# KiCad board PiComputeModuleBreakout.kicad_pcb (continued)
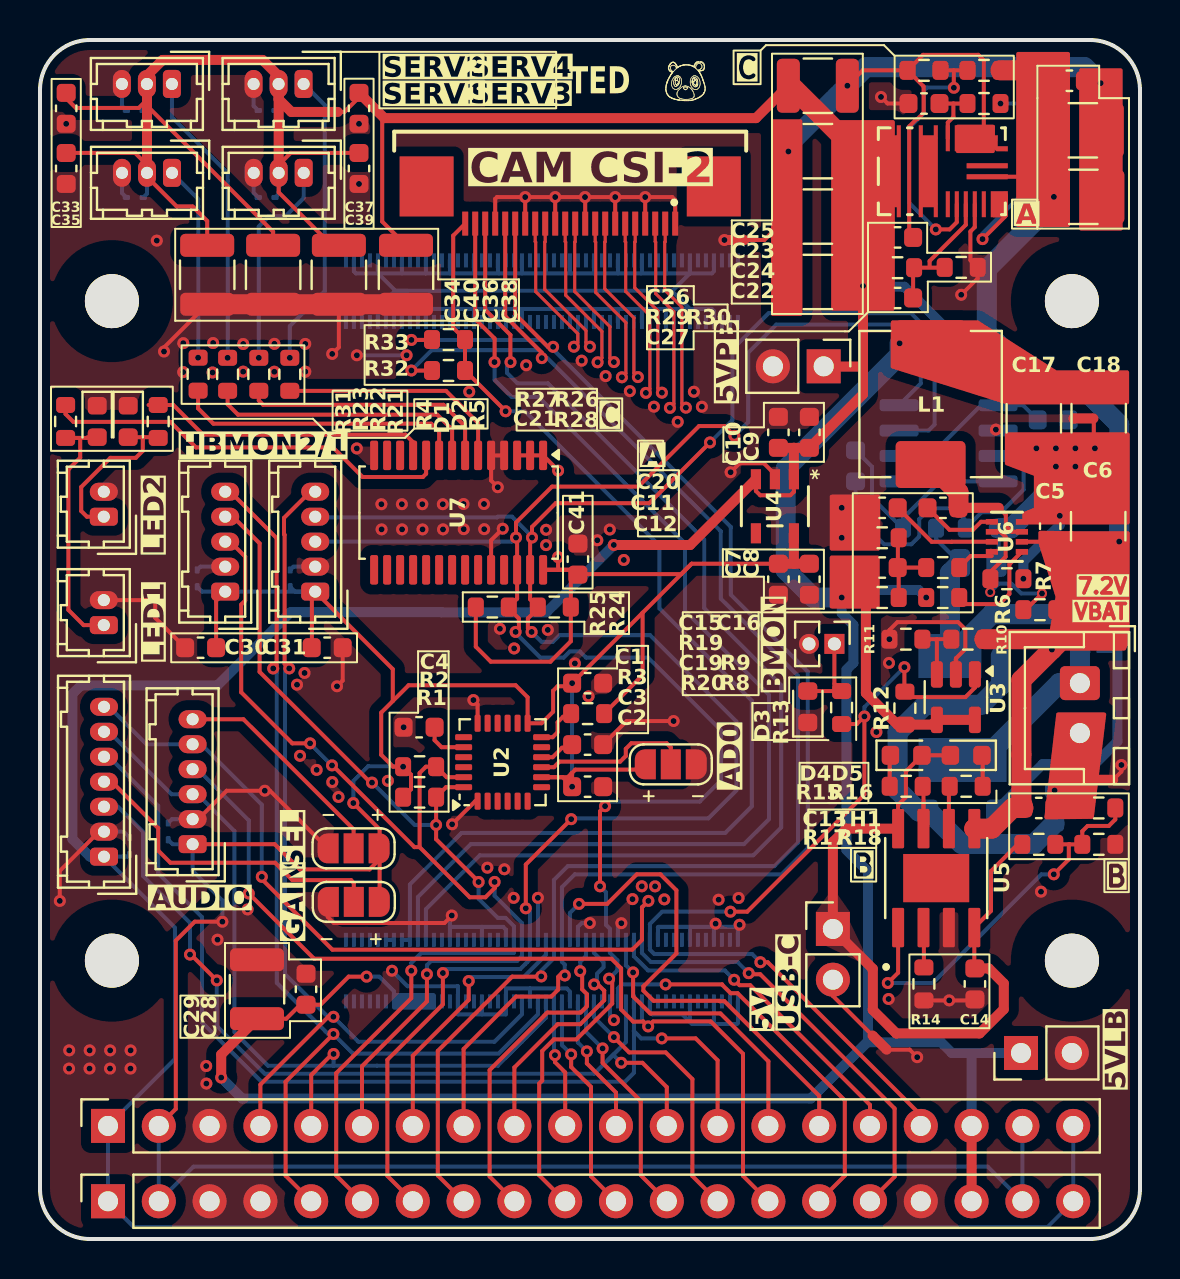
[diagram p0: board, top side]
## Nets
3V3BUS: C1.1 C2.2 C7.2 C8.2 C30.2 C31.2 C41.2 D7.2 D8.2 D13.2 J5.1 J6.1 J9.2 J9.19 J14.2 J14.19 J19.1 JP1.1 JP6.3 JP9.3 R1.1 R2.1 R3.1 R24.2 R25.2 U2.8 U2.13 U4.5 U7.1 U7.2 U7.3 U7.28
3V3CM4: J8.22 R32.1 R33.2 U1.84 U1.86
5VLBUS: C17.1 C18.1 C19.2 C28.2 C29.1 J9.18 J13.1 J14.18 L1.2 R8.1 R12.2 R20.1 U1.77 U1.79 U1.81 U1.83 U1.85 U1.87 U3.4 U3.5
5VPBUS: C9.2 C10.2 C22.1 C23.1 C24.1 C25.1 C26.1 C27.1 C33.2 C34.1 C35.2 C36.1 C37.2 C38.1 C39.2 C40.1 C42.1 D9.2 D10.2 D11.2 D12.2 D14.2 J1.2 J2.2 J3.2 J4.2 J9.1 J9.20 J14.1 J14.20 J15.1 J18.1 R29.2 U4.1 U4.3 U8.9 U8.10 U8.11 U8.12 U9.1 U9.2 U9.5
GND: C1.2 C2.1 C3.2 C4.2 C7.1 C8.1 C9.1 C10.1 C14.2 C15.2 C21.2 C28.1 C29.2 C30.1 C31.1 C33.1 C34.2 C35.1 C36.2 C37.1 C38.2 C39.1 C40.2 C41.1 C42.2 D1.1 D2.1 D3.1 D7.1 D8.1 D9.1 D10.1 D11.1 D12.1 D13.1 D14.1 J1.3 J2.3 J3.3 J4.3 J5.2 J6.2 J8.1 J8.4 J8.7 J8.10 J8.13 J8.16 J8.19 J9.3 J10.2 J11.2 J13.2 J14.3 J14.4 J14.17 J15.2 J16.2 J18.2 J19.2 JP1.3 JP6.1 JP9.1 NT1.2 NT2.2 NT3.2 NT4.2 R11.1 R14.1 R18.2 R19.2 R30.1 U1.1 U1.2 U1.7 U1.8 U1.13 U1.14 U1.22 U1.23 U1.32 U1.33 U1.42 U1.43 U1.52 U1.53 U1.59 U1.60 U1.65 U1.66 U1.71 U1.74 U1.98 U1.107 U1.108 U1.113 U1.114 U1.119 U1.120 U1.125 U1.126 U1.131 U1.132 U1.137 U1.138 U1.144 U1.150 U1.155 U1.156 U1.161 U1.162 U1.167 U1.168 U1.173 U1.174 U1.179 U1.180 U1.185 U1.186 U1.191 U1.192 U1.197 U1.198 U2.1 U2.11 U2.18 U3.2 U4.2 U5.3 U7.4 U7.5 U7.14 U7.24 U8.18 U9.6
GNDA: C11.2 C12.2 C20.2 C22.2 C23.2 C24.2 C25.2 C26.2 NT4.1 R27.1 U8.1 U8.2 U8.3 U8.4 U8.5 U8.24
GNDD: J7.2 NT2.1
GNDPWR: C5.2 C6.2 C17.2 C18.2 NT1.1 R7.1 U6.4
VCC: C14.1 D4.2 D5.2 J7.1 R17.1 U5.4 U5.8
/AD0: JP1.2 U2.9
/FB: R9.2 U6.8
/FB-MPM: C27.2 R29.1 R30.2 U8.17
/GAIN: J18.4 JP6.2
/INT: R3.2 U2.12
/LED1: R4.1 U7.10
/LED2: R5.1 U7.11
/PG3: R8.2 U6.1
/PG5: R28.2 U8.20 U8.21
/SEL: J19.6 JP9.2
/SW: C16.2 L1.1 U6.3
/TEMP: R17.2 R18.1 TH1.2 U5.1
BAT+: C5.1 C6.1 C11.1 C12.1 C13.1 C20.1 R6.2 R10.2 R26.2 R35.2 R37.1 U5.5 U6.2 U8.22
BAT-: C13.2 J12.2 NT3.1 R34.2 TH1.1
BATMON: J9.17 R12.1 R13.1 U1.24 U3.1
CAM_CK_N: J8.8 U1.127
CAM_CK_P: J8.9 U1.129
CAM_D0_N: J8.2 U1.115
CAM_D0_P: J8.3 U1.117
CAM_D1_N: J8.5 U1.121
CAM_D1_P: J8.6 U1.123
CAM_D2_N: J8.11 U1.133
CAM_D2_P: J8.12 U1.135
CAM_D3_N: J8.14 U1.139
CAM_D3_P: J8.15 U1.141
CAM_I2C_N: J8.20 U1.80
CAM_I2C_P: J8.21 U1.82
CHRG: R15.2 U5.7
ENMP2338: R6.1 R7.2 U6.6
GPIO6: J9.14 U1.30
GPIO7: J14.13 U1.37
GPIO8: J14.12 U1.39
GPIO9: J14.9 U1.40
GPIO10: J9.15 U1.44
GPIO11: J9.9 U1.38
GPIO12: J14.15 U1.31
GPIO13: J9.16 U1.28
GPIO14: J6.5 J9.4 U1.55
GPIO15: J5.5 J14.5 U1.51
GPIO17: J9.7 U1.50
GPIO23: J9.10 U1.47
GPIO24: J14.11 U1.45
GPIO25: J9.11 U1.41
I2C1_N: J5.3 J9.6 R2.2 U1.56 U2.23
I2C1_P: J5.4 J14.6 R1.2 U1.58 U2.24
I2C2_N: J6.3 J14.10 R25.1 U1.34 U7.26 U9.4
I2C2_P: J6.4 J14.7 R24.1 U1.54 U7.27 U9.3
LED_EN: J8.18 J14.8 R32.2 U1.48
LRCLK: J14.16 J18.7 J19.5 U1.26
PCM_CLK: J9.5 J18.6 J19.3 U1.49
PCM_DIN: J9.13 J18.5 U1.27
PCM_DOUT: J14.14 J19.4 U1.25
POWER_EN: J8.17 J9.8 R33.1 U1.46
SD: J9.12 J18.3 U1.29
SERV1: J1.1 R31.2
SERV2: J2.1 R23.2
SERV3: J3.1 R22.2
SERV4: J4.1 R21.2
SSMP2338: C15.1 U6.7
STDBY: R16.2 U5.6
Net-(C19-Pad1): C19.1 R9.1 R19.1 R20.2
Net-(D1-A): D1.2 J10.1 R4.2
Net-(D2-A): D2.2 J11.1 R5.2
Net-(D3-A): D3.2 J16.1 R13.2
Net-(D4-K): D4.1 R15.1
Net-(D5-K): D5.1 R16.1
Net-(D6-A): D6.2 Q2.4 R34.1
Net-(D6-K): D6.1 JP2.2 Q2.1-3 R35.1 R36.1
Net-(J12-Pin_1): J12.1 JP2.1 Q2.5-8
Net-(U1A-CM4_1.8V(OUTPUT)-Pad88): U1.88 U1.90
Net-(U2-CPOUT): C4.1 U2.20
Net-(U2-REGOUT): C3.1 U2.10
Net-(U3-+): R10.1 R11.2 U3.3
Net-(U5-PROG): R14.2 U5.2
Net-(U6-BST): C16.1 U6.5
Net-(U7-LED0): R21.1 U7.6
Net-(U7-LED1): R22.1 U7.7
Net-(U7-LED2): R23.1 U7.8
Net-(U7-LED3): R31.1 U7.9
Net-(U8-EN): R26.1 R27.2 U8.16
Net-(U8-VCC): C21.1 R28.1 U8.6
Net-(U9-IN+): C32.1 R36.2 U9.8
Net-(U9-IN-): C32.2 R37.2 U9.7

Pads without a net: J8 Z1 Z2; U1 3 4 5 6 9 10 11 12 15 16 17 18 19 20 21 35 36 57 61 62 63 64 67 68 69 70 72 73 75 76 78 89 91 92 93 94 95 96 97 99 100 101 102 103 104 105 106 109 110 111 112 116 118 122 124 128 130 134 136 140 142 143 145 146 147 148 149 151 152 153 154 157 158 159 160 163 164 165 166 169 170 171 172 175 176 177 178 181 182 183 184 187 188 189 190 193 194 195 196 199 200; U2 2 3 4 5 6 7 14 15 16 17 19 21 22; U4 4; U5 9; U7 12 13 15 16 17 18 19 20 21 22 23 25; U8 7 8 13 14 15 19 23

## Via types
v1: diameter 0.6, hole 0.3, Top to Bottom, 223 vias
v2: diameter 0.5, hole 0.3, Top to Bottom, 2 vias

## Routing (per net, layer and track width the routed paths; a pad name or vN(x,y) marks a point on that pad's centre or on a via; arc(x,y) is an arc through that point)
3V3BUS: length 191.4
  Top w0.2: JP9.3 16.98,20.5 v1(15.67,21.82) ; JP9.3 16.98,19 16.48,18.49 13,18.49 11.73,19.76 J19.1 ; JP9.3 16.98,16.88 JP6.3 ; U7.3 U7.1 25.9,38.46 v1(25.9,38.45) ; 30.13,31.34 v1(26.61,27.81) ; 30.13,31.34 30.13,28.21 R3.1 ; 30.13,31.34 32.58,33.79 ; R25.2 21.79,29.64 22.54,28.89 25.52,28.89 26.54,29.91 R24.2 26.54,33.49 25.9,33.49 ; 32.58,33.79 C7.2 ; 32.58,33.79 32.06,33.27 26.92,33.27 C41.2 26.66,33.49 U7.28 25.9,33.49 ; 26.58,23.3 26.61,23.27 v1(26.61,22.63) 26.13,23.11 U2.8 26.39,23.11 26.58,23.3 ; 26.58,23.3 26.77,23.49 29.98,23.49 JP1.1 ; 17.64,26.92 17.06,26.34 17.06,24.23 17.66,23.63 v1(18.16,23.63) 18.55,23.24 18.55,22.5 R1.1 ; 17.64,26.92 18.43,27.71 23.78,27.71 24.38,27.11 U2.13 25.08,25.81 25.66,26.38 25.66,27.43 25.88,27.66 26.61,27.66 ; 17.64,26.92 17.64,28.52 J6.1 13.59,32.23 13.59,29.59 ; v1(25.9,34.12) 25.9,33.49 ; J9.2 6.79,6.51 6.79,14.93 7.74,15.88 v1(9.12,15.88) ; J5.1 8.81,31.94 C30.2 ; 18.03,22.11 17.93,22.21
  Top w0.5: C8.2 37.69,33.79 ; 37.69,33.79 U4.5 ; 37.69,33.79 C7.2
  Bottom w0.2: D7.2 8.1,32.4 J5.1 J6.1 12.75,32.4 D8.2 ; J9.19 J14.19 47.39,3.62 7.67,3.62 J14.2 J9.2 ; D13.2 6.63,19.76 J19.1 7.63,18.43 9.12,16.94 v1(9.12,15.88) ; v1(15.67,21.82) 15.67,22.92 16.41,23.66 18.13,23.66 v1(18.16,23.63) ; v1(26.61,22.63) v1(26.61,27.81) ; v1(25.9,38.45) v1(25.9,34.12)
3V3CM4: length 58
  Top w0.2: J8.22 20.66,50.21 20.66,45.6 R33.2 R32.1 23.28,41.43 v1(23.28,41.42)
  Bottom w0.2: U1.86 U1.84 18.49,17.74 21.08,20.32 34.26,20.32 35.59,21.65 35.59,26.94 30.97,31.56 30.97,34.7 24.25,41.42 v1(23.28,41.42)
5VLBUS: length 119
  Top w0.2: C29.1 12.31,11.02 13.02,11.72 C28.2 14.03,11.72 15.43,13.13 v1(16.33,13.13)
  Top w0.5: v1(9.06,8.08) 9.06,9.23 C29.1 ; U3.5 U3.4 44.61,25.74 R12.2 42.87,25.74 41.29,27.32 41.29,32.09 R20.1 41.29,32.51 41.29,32.52 ; J9.18 J14.18
  Bottom w0.2: v1(16.33,13.13) 16.96,13.13 17.69,12.4 U1.87
  Bottom w0.5: 46.08,9.31 45.59,9.31 45.05,9.85 41.36,9.85 41.01,9.49 ; 46.08,9.31 46.59,9.31 46.58,9.3 J9.18 ; 46.08,9.31 J13.1 ; 41.01,9.49 38.54,7.03 10.11,7.03 v1(9.06,8.08) ; 41.01,9.49 41.4,9.89 41.4,18.39 40.32,19.47 40.32,28.48 40.67,28.83 40.67,30.73 40.08,31.31 40.08,32.33 40.23,32.48 43.93,32.48 v1(44.31,32.1)
  Bottom w1: v1(42.98,44.82) 42.98,44.24 37.29,38.55 37.29,33.47 38.66,32.1 v1(40.08,32.1) 40.08,32.33
5VPBUS: length 269.6
  Top w0.2: C39.2 15.95,54.35 12.53,54.35 11.93,53.75 J3.2 11.93,52.38 14.59,49.72 C36.1 ; C40.1 11.66,50.4 5.34,56.72 J2.2 ; 11.93,57.47 11.93,57.47 J4.2 11.93,57.08 12.61,56.4 15.22,56.4 15.95,57.13 C37.2 17.11,56.19 17.11,50.91 C38.1 ; J2.2 5.34,57 4.94,56.6 1.79,56.6 1.31,57.08 C33.2 ; J2.2 5.34,57.51 5.35,57.51 ; C35.2 1.31,54.35 4.75,54.35 5.35,53.75 J1.2 5.35,53.15 6.83,51.67 7.63,51.67 8.36,50.94 C34.1 ; 14.12,49.6 15.86,49.6 ; U4.1 37.69,37.39 37.52,37.22 36.01,37.22 35.79,37.44 U4.3
  Top w0.5: C10.2 C9.2 41.15,42.27 41.15,45.03 ; 11.93,57.47 J3.2 ; 41.15,45.03 v1(41.15,47.69) 41.15,51.22 ; 41.15,45.03 41.15,43.66 39.3,43.66 ; 14.89,56.4 12.57,56.4 11.93,57.03 J4.2 11.93,58.2 11.13,59 6.13,59 5.34,58.21 J2.2 ; v1(28.69,34.73) 32.51,34.73 U4.3 ; C25.1 35.8,56.09 17.21,56.09 C37.2 ; U4.1 37.69,39.59 ; 5.35,57.51 J1.2
  Top w1: C23.1 40.37,54.9 37.56,57.71 C25.1
  Bottom w0.2: J2.2 5.34,56.65 D9.2 ; D12.2 11.93,52.3 J3.2 ; J4.2 11.93,56.65 D11.2 ; U9.1 U9.2 44.52,39.18 47.05,41.72 49.15,41.72 C42.1 ; D10.2 5.35,52.31 J1.2 ; J9.20 J14.20 50.37,0.6 4.69,0.6 J14.1 J9.1 6.74,9 6.74,15.59 J18.1 4.37,19.13 D14.2
  Bottom w0.5: v1(28.69,34.73) 25.32,31.36 20.07,31.36 20.06,31.37 12.54,31.37 8.87,27.7 2.04,27.7 1.62,27.28 1.62,20.01 2.5,19.13 J18.1 ; 47.91,41.72 47.91,42.96 43.22,47.65 41.23,47.65
GND: length 226.4
  Top w0.2: J19.2 7.91,21.01 9.33,22.43 v1(11.24,22.43) 11.5,22.43 JP9.1 ; NT3.2 54.07,23.39 v1(54.07,23.72) ; 25.78,52.14 v1(25.76,52.14) v1(24.26,52.14) 24.22,52.14 ; 25.78,52.14 25.76,52.12 J8.13 ; 25.78,52.14 v1(27.25,52.14) 27.27,52.14 ; v1(22.89,37.62) 22.55,37.95 U7.5 U7.4 ; v1(21.67,26.97) 21.88,26.76 U2.18 ; U3.2 45.79,29.05 46.27,29.53 46.27,30.5 45.9,30.87 42.87,30.87 42.47,30.47 v1(42.47,30.02) ; C14.2 46.69,11.94 v1(45.46,11.94) R14.1 ; v1(43.86,9.1) 43.48,9.48 NT2.2 ; 27.27,52.14 27.26,52.13 J8.10 ; 27.27,52.14 v1(28.76,52.14) 28.79,52.14 ; J8.1 31.76,51.99 31.61,52.14 v1(30.26,52.14) 30.24,52.14 ; v1(23.14,35.55) 22.55,34.96 U7.24 ; 20.59,16.18 20.23,15.81 14.69,15.81 14.39,16.11 JP6.1 ; 24.22,52.14 24.26,52.1 J8.16 ; 24.22,52.14 22.85,52.14 22.76,52.05 J8.19 ; v1(20.6,20.75) 21.76,21.91 U2.1 ; C30.1 5.76,31.08 5.76,31.86 5.65,31.97 J10.2 ; v1(31.68,25.92) 29.33,25.92 C3.2 ; 30.24,52.14 28.79,52.14 ; 30.24,52.14 30.26,52.12 J8.4 ; v1(0.99,16.92) 0.99,18.42 2.95,20.38 J18.2 ; C31.1 15.14,27.94 v1(14.85,27.66) ; C34.2 6.2,44.61 v1(6.2,44.41) ; C21.2 42.38,56.82 v1(42.05,57.15) ; C36.2 14.94,44.62 v1(14.61,44.29) ; 28.79,52.14 28.76,52.11 J8.7 ; U8.18 46.74,50.63 46.52,50.41 46.52,48.98 R30.1 46.89,48.07 v1(46.06,47.25) ; U4.2 36.74,38.27 36.19,38.82 34.98,38.82 v1(34.53,38.37)
  Top w1: C34.2 C38.2
  Bottom w0.2: U1.22 30.89,15.6 30.92,15.62 32.49,15.62 ; U1.180 19.29,48.33 19.29,48.32 ; 22.09,11.24 20.89,11.24 U1.71 20.89,12.65 18.38,12.65 v1(17.6,13.42) ; 22.09,11.24 23.29,11.24 U1.59 23.29,12.54 24.49,12.54 ; 22.09,11.24 U1.65 ; U1.185 18.09,46.54 18.09,46.54 ; 21.72,48.32 21.69,48.35 U1.168 ; 21.72,48.32 20.5,48.32 ; 21.72,48.32 22.96,48.32 ; U1.155 24.09,46.49 24.15,46.54 ; U1.126 30.09,48.38 30.04,48.32 ; 47.91,40.45 47.84,40.45 v1(47.79,40.5) ; U1.8 33.69,15.62 33.7,15.62 ; 24.15,46.54 27.66,46.54 ; 24.15,46.54 22.88,46.54 ; 16.89,46.54 15.69,46.54 U1.197 ; 16.89,46.54 16.89,46.54 U1.191 16.89,46.58 17.76,47.45 18.38,47.45 ; 16.89,46.54 18.09,46.54 ; 31.51,47.45 31.59,47.45 32.49,46.54 32.49,45.81 ; 31.51,47.45 31.62,47.45 32.49,48.32 U1.114 32.49,48.33 32.5,48.32 ; 31.51,47.45 18.38,47.45 ; U1.13 32.49,10.87 ; 32.49,10.87 32.6,10.76 33.71,10.76 ; 32.49,10.87 32.12,11.24 30.62,11.24 30.49,11.37 U1.23 ; D12.1 10.68,52.35 J3.3 ; 22.09,15.62 23.16,15.62 23.29,15.48 U1.60 ; 22.09,15.62 20.49,15.62 ; 22.09,15.62 U1.66 ; 24.49,12.54 26.34,12.54 26.49,12.39 U1.43 ; 24.49,12.54 U1.53 ; 30.07,46.54 30.09,46.52 U1.125 ; 30.07,46.54 28.87,46.54 ; 30.07,46.54 31.26,46.54 ; 27.71,48.32 28.92,48.32 ; 27.71,48.32 27.69,48.34 U1.138 ; 27.71,48.32 26.56,48.32 ; 28.92,48.32 30.04,48.32 ; 28.92,48.32 28.89,48.35 U1.132 ; 16.9,48.32 15.79,48.32 15.69,48.42 U1.198 ; 16.9,48.32 16.89,48.33 U1.192 16.89,48.32 17.77,47.45 18.38,47.45 ; 16.9,48.32 18.11,48.32 ; 27.66,46.54 28.87,46.54 ; 27.66,46.54 27.69,46.51 U1.137 ; U1.14 32.49,15.62 32.49,15.62 ; U1.52 24.89,17.07 v1(24.9,17.07) ; 33.7,15.62 34.88,15.62 ; 33.7,15.62 32.49,15.62 ; 34.88,15.62 34.98,15.72 v1(34.98,15.72) ; 34.88,15.62 34.89,15.63 U1.2 ; v1(28.69,10.95) 28.49,11.15 U1.33 ; 22.96,48.32 24.11,48.32 ; 22.96,48.32 22.89,48.39 U1.162 ; 24.11,48.32 24.09,48.34 U1.156 ; 24.11,48.32 25.22,48.32 ; v1(29.07,15.8) 28.89,15.63 U1.32 ; 18.11,48.32 19.29,48.32 ; 18.11,48.32 18.09,48.34 U1.186 ; 19.29,48.32 20.5,48.32 ; 32.46,46.54 32.49,46.51 U1.113 ; 32.46,46.54 31.26,46.54 ; 32.46,46.54 33.59,46.54 33.69,46.44 U1.107 ; 20.49,15.62 U1.74 ; 20.49,15.62 20.49,16.09 v1(20.59,16.19) ; 31.26,46.54 31.29,46.51 U1.119 ; J6.2 12.68,33.65 D8.1 ; 20.5,48.32 20.49,48.33 U1.174 ; U1.131 28.89,46.52 28.87,46.54 ; 22.88,46.54 22.89,46.53 U1.161 ; 22.88,46.54 21.75,46.54 ; J2.3 4.09,56.7 D9.1 ; 30.04,48.32 31.35,48.32 ; U1.120 31.29,48.38 31.35,48.32 ; 25.22,48.32 25.29,48.4 U1.150 ; 25.22,48.32 26.56,48.32 ; 19.31,46.54 18.09,46.54 ; 19.31,46.54 19.29,46.53 U1.179 ; 19.31,46.54 20.6,46.54 ; U1.108 33.69,48.42 33.59,48.32 32.5,48.32 ; 32.5,48.32 31.35,48.32 ; D10.1 4.1,52.34 J1.3 ; U1.167 21.69,46.49 21.75,46.54 ; U1.173 20.49,46.44 20.6,46.54 ; 26.56,48.32 26.49,48.39 U1.144 ; 20.6,46.54 21.75,46.54 ; U1.42 26.89,15.62 27.09,15.81 v1(27.49,15.81) ; 33.71,10.76 33.69,10.78 U1.7 ; 33.71,10.76 34.85,10.76 34.89,10.8 U1.1 ; D7.1 8.03,33.65 J5.2 ; J4.3 10.68,56.7 D11.1 ; J19.2 6.6,21.01 D13.1 ; D14.1 4.18,20.38 J18.2 ; 15.84,44.22 v1(15.84,44.22) v1(18.33,44.22)
  vias: v1(1.31,55.8) v1(1.46,9.44) v1(1.45,8.53) v1(2.48,9.44) v1(2.48,8.53) v1(3.5,8.53) v1(3.51,9.44) v1(4.53,9.44) v1(4.52,8.53) v1(5.84,49.96) v1(7.16,44.83) v1(7.16,43.38) v1(8.31,8.66) v1(8.32,7.78) v1(8.66,44.84) v1(8.63,43.36) v1(8.88,14.98) v1(10.16,44.79) v1(10.16,43.4) v1(10.38,16.49) v1(11.72,44.8) v1(11.72,43.4) v1(12.85,27.74) v1(13,24.18) v1(13.26,44.79) v1(13.27,43.4) v1(13.23,28.33) v1(13.83,23.48) v1(14.61,22.87) v1(14.93,22.12) v1(15.84,39.56) v1(15.95,55.8) v1(15.95,52.79) v1(17.07,36.77) v1(17.08,35.51) v1(17.39,22.93) v1(18.09,36.77) v1(18.1,35.51) v1(18.18,25.61) v1(19.12,36.77) v1(19.13,35.51) v1(20.14,36.77) v1(20.15,35.51) v1(21.18,36.78) v1(21.19,35.52) v1(21.46,42.4) v1(22.2,36.78) v1(22.21,35.52) v1(22.37,18.58) v1(23,30.54) v1(23.22,18.5) v1(23.69,17.07) v1(23.71,29.55) v1(24.31,43.72) v1(25.3,35.49) v1(25.3,34.72) v1(25.39,30.48) v1(26.74,28.8) v1(27.08,43.95) v1(27.43,27.16) v1(27.86,34.97) v1(28.28,43.18) v1(28.49,35.5) v1(29.19,33.98) v1(29.49,42.43) v1(29.62,17.01) v1(30.09,17.65) v1(30.7,41.65) v1(30.75,17.65) v1(31.22,17) v1(31.88,40.89) v1(32.69,42.4) v1(33.09,41.65) v1(33.78,15.78) v1(33.93,16.98) v1(34.22,49.99) v1(34.93,17.07) v1(40.08,36.59) v1(40.08,35.09) v1(41.82,25.37) v1(42.45,28.83) v1(42.43,12.01) v1(50.05,17.38)
GNDA: length 41
  Top w0.2: 37.33,51.11 36.21,49.99 NT4.1 ; v1(40.37,57.71) 41.14,58.48 R27.1 ; U8.2 47.19,58.98 46.92,59.25 44.15,59.25 R27.1 ; R27.1 44.18,57.67 44.18,56.35 43.87,56.04 43.83,56.04 43.46,55.67 43.46,50.31 C26.2
  Bottom w1: v1(37.42,54.42) 37.42,54.76 v1(40.37,57.71) 41.3,58.64 52.23,58.64 v1(53.03,57.84)
GNDD: length 3.7
  Top w0.2: NT2.1 39.64,12.17 J7.2 39.68,13.02
GNDPWR: length 5.5
  Top w0.2: 52.69,41.12 52.69,39.62 v1(52.74,39.57) ; 49.14,33.07 v1(49.17,33.04)
  Bottom w0.5: v1(50.99,36.19) 50.99,35.73 49.17,33.91 v1(49.17,33.04)
  vias: v1(49.82,39.57) v1(50.79,39.57) v1(50.79,38.65) v1(51.77,39.57) v1(51.77,38.65)
VCC: length 36.4
  Top w0.2: 49.11,19.75 48.89,19.75 47.55,18.41 47.55,16.42 U5.4 46.71,13.63 46.83,13.51 ; D5.2 D4.2 43.29,23.4 43.29,22.12 42.9,21.73 U5.8
  Top w0.5: U5.8 40.31,20.54 39.64,19.87 J7.1 41.64,13.52 41.64,11.46 42.81,10.29 46.98,10.29 48.19,11.5 48.19,12.79 47.44,13.54 C14.1
/AD0: length 8.1
  Top w0.2: JP1.2 31.54,24.6 31.33,24.81 29.57,24.81 29.29,24.53 29.29,24.17 29.01,23.89 25.98,23.89 25.7,23.61 U2.9
/FB: length 1.9
  Top w0.2: R9.2 46.53,34.17 47.59,34.17 ; 47.55,34.44 U6.8
/FB-MPM: length 7
  Top w0.2: U8.17 46.29,50.75 44.48,48.94 44.48,48.65 ; C27.2 43.66,48.55 R29.1 45.22,48.6 45.23,48.62
/GAIN: length 16.2
  Top w0.2: JP6.2 15.69,17.82 15.55,17.96 12.62,17.96 11.75,18.83 6.52,18.83 5.91,19.44 5.91,20.56 3.59,22.88 J18.4
/INT: length 2.3
  Top w0.2: 26.55,26.03 26.45,26.13 26.16,26.13 25.88,25.86 25.88,25.36 25.63,25.11 U2.12 25.11,25.08
/LED1: length 20.8
  Top w0.2: R4.1 1.28,41.28 1.67,40.89 6.52,40.89 7.8,39.61 14.65,39.61 16.13,38.13 19.14,38.13 19.3,38.29 U7.10
/LED2: length 14.7
  Top w0.2: 18.66,39.21 18.66,39.87 18.27,40.25 8.15,40.25 6.67,41.73 5.43,41.73
/PG3: length 5.3
  Top w0.2: 49.14,34.34 U6.1 48.47,33.77 48.47,32.28 47.96,31.77 46.29,31.77 R8.2
/PG5: length 10.7
  Top w0.2: 48.26,51.61 48.26,51.17 v1(47.13,50.03)
  Bottom w0.2: v1(48.02,56.82) 49.01,56.82 49.08,56.75 49.08,52.27 47.13,50.31 v1(47.13,50.03)
/SEL: length 11.3
  Top w0.2: J19.6 10.17,26.01 15.68,20.5 JP9.2
/SW: length 6.7
  Top w0.2: 47.94,36.59 48.29,36.24 48.29,35.69 48.59,35.39 U6.3
  Top w0.5: 47.94,36.59 C16.2
  Top w1: C16.2 45.93,37.36 44.53,38.75
/TEMP: length 20
  Top w0.2: 51.92,19.75 52.11,19.75 52.11,19.75 ; 51.92,19.75 52.11,19.94 52.11,20.4 52.38,20.67 53.44,20.67 53.77,20.99 TH1.2 ; 51.92,19.75 51.48,19.75 ; v1(42.39,12.81) 42.9,13.32 U5.1 ; 51.48,19.75 51.44,19.75 51.44,19 v1(50.69,18.25) ; 51.48,19.75 51.48,19.75 R17.2
  Bottom w0.2: v1(50.69,18.25) 50.07,18.25 44.63,12.81 v1(42.39,12.81)
BAT+: length 63
  Top w0.2: U6.2 50.59,34.89 ; v1(50.7,52.15) 49.69,53.15 U8.22 ; 52.79,34.49 53.09,34.79 ; 50.69,30.02 52.24,31.57
  Top w1: 49.91,58.75 C20.1 50.17,58.48 R26.2 ; R10.2 50.69,30.02 ; 46.73,20.52 U5.5 47.59,20.54 48.62,21.57 C13.1 49.07,21.66 49.07,27.97 v1(50.59,29.5) 52.2,31.1
  Bottom w0.2: R37.1 47.94,33.94 R35.2
  Bottom w1: v1(50.7,52.15) 50.7,51.88 47.34,48.53 47.34,45.36 50.07,42.63 52.09,42.63 53.96,40.76 v1(53.96,34.9) 53.96,37.54 50.53,37.54 48.56,35.57 R37.1
BAT-:
  vias: v1(50.73,22.44)
BATMON: length 46.4
  Top w0.2: v1(34.52,16.38) 35.36,16.38 41.22,22.24 v1(41.22,26.15) 40.84,25.77 R13.1 ; J9.17 44.04,6.2 36.39,13.85 v1(36.02,13.85) ; v1(43.22,28.62) 43.22,27.42 R12.1 43.52,27.12 46.27,27.12 46.74,27.59 U3.1
  Bottom w0.2: v1(41.22,26.15) 41.22,26.62 v1(43.22,28.62) ; U1.24 30.49,14.48 30.71,14.26 35.61,14.26 v1(36.02,13.85) ; v1(34.52,16.38) 31.11,16.38 30.49,15.76 30.49,14.96
CAM_CK_N: length 11.2
  Top w0.157: v1(29.89,43.13) 29.69,43.33 29.69,46.09 28.23,47.55 28.23,49.88 28.26,49.91 J8.8
  Bottom w0.157: U1.127 29.69,43.33 v1(29.89,43.13)
CAM_CK_P: length 11.3
  Top w0.157: v1(29.09,43.12) 29.29,43.32 29.29,45.86 27.79,47.37 27.79,49.88 27.76,49.91 J8.9
  Bottom w0.157: U1.129 29.29,43.32 v1(29.09,43.12)
CAM_D0_N: length 14
  Top w0.157: J8.2 31.26,49.91 31.23,49.88 31.23,47.49 32.09,46.63 32.09,41.8 v1(32.29,41.6)
  Bottom w0.157: v1(32.29,41.6) 32.09,41.8 U1.115
CAM_D0_P: length 14.1
  Top w0.157: J8.3 30.76,49.91 30.79,49.88 30.79,47.31 31.69,46.4 31.69,41.79 v1(31.49,41.59)
  Bottom w0.157: U1.117 31.69,41.79 v1(31.49,41.59)
CAM_D1_N: length 12.7
  Top w0.157: J8.5 29.76,49.91 29.73,49.88 29.73,47.6 30.89,46.44 30.89,42.55 v1(31.09,42.35)
  Bottom w0.157: U1.121 30.89,42.55 v1(31.09,42.35)
CAM_D1_P: length 12.7
  Top w0.157: v1(30.29,42.34) 30.49,42.54 30.49,46.21 29.29,47.42 29.29,49.88 29.26,49.91 J8.6
  Bottom w0.157: v1(30.29,42.34) 30.49,42.54 U1.123
CAM_D2_N: length 9.8
  Top w0.157: v1(28.69,43.88) 28.49,44.08 28.49,45.65 26.73,47.41 26.73,49.88 26.76,49.91 J8.11
  Bottom w0.157: v1(28.69,43.88) 28.49,44.08 U1.133
CAM_D2_P: length 9.9
  Top w0.157: v1(27.88,43.87) 28.09,44.09 28.09,45.42 26.29,47.23 26.29,49.88 26.26,49.91 J8.12
  Bottom w0.157: v1(27.88,43.87) 27.9,43.87 28.09,44.07 ; U1.135 28.09,44.08
CAM_D3_N: length 8.4
  Top w0.157: J8.14 25.26,49.91 25.23,49.88 25.23,47.52 27.3,45.46 27.3,44.85 v1(27.49,44.65)
  Bottom w0.157: U1.139 27.29,44.85 v1(27.49,44.65)
CAM_D3_P: length 8.4
  Top w0.157: v1(26.69,44.65) 26.89,44.85 26.89,45.3 24.79,47.41 24.79,49.88 24.76,49.91 J8.15
  Bottom w0.157: U1.141 26.89,44.85 v1(26.69,44.65)
CAM_I2C_N: length 58.4
  Top w0.2: v1(23.53,43.88) 23.52,43.89 23.52,45.24 22.26,46.5 J8.20
  Bottom w0.2: v1(23.53,43.88) 23.35,43.71 23.35,43.34 23.87,42.82 25.39,42.82 33.21,35 33.21,31.57 37.06,27.72 37.06,20.6 35.66,19.2 21.99,19.2 19.29,16.5 U1.80
CAM_I2C_P: length 58
  Top w0.2: J8.21 21.76,46.03 22.73,45.06 22.73,43.89 v1(22.72,43.88)
  Bottom w0.2: v1(22.72,43.88) 22.73,43.88 22.73,42.99 23.58,42.13 24.92,42.13 32.25,34.81 32.25,31.43 36.45,27.23 36.45,21.01 35.2,19.76 21.54,19.76 18.89,17.11 U1.82
CHRG: length 2.4
  Top w0.2: 44,20.71 U5.7 44.17,22.62 R15.2
ENMP2338: length 8.1
  Top w0.2: U6.6 48.02,35.39 48.28,35.14 48.28,34.14 47.51,33.37 v2(47.51,32.37) ; v2(50.1,32.3) 49.29,31.49 R6.1
  Bottom w0.2: v2(50.1,32.3) 49.06,32.3 48.57,32.79 47.93,32.79 v2(47.51,32.37)
GPIO6: length 14.3
  Top w0.2: v1(29.65,13.34) 29.65,12.15 30.51,11.29 34.02,11.29 36.42,8.89 J9.14
  Bottom w0.2: U1.30 29.29,13.7 v1(29.65,13.34)
GPIO7: length 13.6
  Top w0.2: v1(28.69,10.1) 29.46,9.34 31.28,9.34 32.62,8 32.62,3.15 J14.13
  Bottom w0.2: v1(28.69,10.1) 27.69,11.1 U1.37
GPIO8: length 11.7
  Top w0.2: J14.12 30.04,3.19 30.04,6.9 28.13,8.81 v1(28.13,9.54)
  Bottom w0.2: v1(28.13,9.54) 27.29,10.37 U1.39
GPIO9: length 16.8
  Top w0.2: J14.9 22.48,3.13 22.48,8.45 25.36,11.33 27.03,11.33 27.35,11.65 27.35,12.25 27.11,12.49 27.11,13.31 v1(27.01,13.4)
  Bottom w0.2: v1(27.01,13.4) 27.01,13.87 27.29,14.16 U1.40
GPIO10: length 26
  Top w0.2: v1(26.95,16.77) 28.36,16.77 29.84,18.25 31.02,18.25 31.82,17.45 31.82,14.29 30.17,12.64 30.17,12.43 30.68,11.92 33.96,11.92 33.98,11.9 34.22,11.9 38.96,7.16 J9.15
  Bottom w0.2: v1(26.95,16.77) 26.49,16.31 U1.44
GPIO11: length 12.5
  Top w0.2: v1(27.71,12.74) 27.89,12.74 28.21,12.43 28.21,12.43 28.21,11.95 27.01,10.75 25.88,10.75 23.72,8.59 J9.9
  Bottom w0.2: v1(27.71,12.74) 27.85,12.89 27.85,13.28 28.18,13.6 28.18,13.84 27.69,14.32 U1.38
GPIO12: length 20.1
  Top w0.2: v1(31.28,12.74) 34.11,12.74 34.11,12.72 34.53,12.3 34.88,12.3 40.24,6.94 40.24,3.17 J14.15
  Bottom w0.2: v1(31.28,12.74) 29.1,12.74 28.89,12.54 U1.31
GPIO13: length 16.8
  Top w0.2: v1(34.71,12.97) 34.98,12.7 35.51,12.7 41.5,6.71 J9.16
  Bottom w0.2: v1(34.71,12.97) 34.24,13.44 30.4,13.44 29.69,14.15 U1.28
GPIO14: length 47
  Top w0.2: J6.5 13.51,37.4 12.2,36.09 12.2,35.27 12.23,35.24 12.23,28.78 v1(12.46,28.55) ; J9.4 11.02,7.73 14.41,11.12 v1(14.67,11.12)
  Bottom w0.2: v1(12.46,28.55) 12.25,28.34 12.25,13.26 14.39,11.12 v1(14.67,11.12) 15.92,9.87 22.72,9.87 24.09,11.24 U1.55 ; 13.51,37.4 J6.5
GPIO15: length 52.1
  Top w0.2: J14.5 12.28,3.17 12.28,7.87 v1(14.67,10.26) ; J5.5 9.51,37.4 11.83,35.08 11.83,28.72 v1(11.66,28.55)
  Bottom w0.2: v1(11.66,28.55) 11.84,28.37 11.84,12.82 14.4,10.26 v1(14.67,10.26) 15.65,9.28 22.93,9.28 24.89,11.24 U1.51 ; J5.5 9.51,37.4
GPIO17: length 13.6
  Top w0.2: v1(21.44,12.91) 21.44,11.97 18.64,9.17 J9.7
  Bottom w0.2: v1(21.44,12.91) 21.64,13.11 24.18,13.11 25.29,14.22 U1.50
GPIO23: length 6.5
  Top w0.2: v1(25.75,9.2) 25.75,8.85 26.26,8.34 J9.10
  Bottom w0.2: v1(25.75,9.2) 25.69,9.25 U1.47
GPIO24: length 11.1
  Top w0.2: v1(26.56,9.24) 26.56,8.61 27.55,7.62 27.55,3.14 J14.11
  Bottom w0.2: v1(26.56,9.24) 26.09,9.7 U1.45
GPIO25: length 7
  Top w0.2: v1(27.34,9.39) 27.34,8.79 28.8,7.33 J9.11
  Bottom w0.2: U1.41 26.89,9.84 v1(27.34,9.39)
I2C1_N: length 50.5
  Top w0.2: 18.98,19.61 18.72,19.61 14.63,23.7 v1(14.6,23.7) ; 18.98,19.61 21.49,17.1 22.27,17.1 22.74,17.57 22.74,17.87 ; 18.98,19.61 18.98,23.32 19.3,23.63 R2.2 20.33,23.11 U2.23 ; v1(13.5,24.8) 12.62,24.8 10.06,27.36 10.06,31.75 10.26,31.95 10.26,34.15 9.51,34.9 J5.3 ; J9.6 16.1,8.65 19.35,11.9 v1(19.35,13.25)
  Bottom w0.2: v1(22.73,17.87) 22.73,17.18 24.09,15.81 24.09,14.96 ; v1(14.6,23.7) 14.59,23.7 13.5,24.79 v1(13.5,24.8) ; v1(19.35,13.25) 19.35,13.71 19.55,13.91 23.85,13.91 24.09,14.16 U1.56
I2C1_P: length 51.3
  Top w0.2: J14.6 14.81,3.18 14.81,8.3 18.56,12.05 v1(18.56,13.42) ; v1(16.6,22.84) 16.52,22.84 10.98,28.38 10.98,34.81 9.64,36.15 J5.4 ; U2.24 20.3,22.61 19.8,22.11 R1.2 v1(19.8,20.72) 19.8,20.01 21.94,17.87
  Bottom w0.2: 21.94,17.87 21.93,17.85 21.93,17.03 22.89,16.07 23.27,16.07 23.69,15.65 23.69,14.96 ; U1.58 23.69,14.32 19.07,14.32 18.56,13.81 v1(18.56,13.42) ; v1(16.6,22.84) 16.61,22.84 18.73,20.72 v1(19.8,20.72)
  vias: v1(21.93,17.87)
I2C2_N: length 91.5
  Top w0.2: v1(28.45,13.03) 28.61,12.87 28.61,11.78 26.82,9.99 25.69,9.99 25.11,9.41 25.11,7.93 24.96,7.78 24.96,3.19 J14.10 ; v1(34.72,40.19) 34.23,40.68 32.95,40.68 29.92,37.65 25.6,37.65 23.8,35.85 v1(23.8,35.1) 23.86,35.04 U7.26 23.86,32.04 R25.1 ; v1(23.78,30.38) 23.95,30.54 23.95,31.04 23.44,31.55 ; v1(28,17.65) 28,21.41 v1(28.25,21.66)
  Bottom w0.2: J6.3 23.6,34.9 v1(23.8,35.1) ; v1(34.72,40.19) 35.41,40.88 35.41,44.35 36.82,45.76 43.38,45.76 44.04,45.1 44.04,42.81 U9.4 ; v1(23.78,30.38) 23.78,30.33 25.02,29.09 26.18,29.09 26.5,29.4 26.99,29.4 27.31,29.09 30.41,29.09 34.05,25.45 34.05,22.95 32.99,21.89 28.48,21.89 v1(28.25,21.66) ; v1(28,17.65) 28.3,17.35 28.3,15.72 28.49,15.53 U1.34 28.49,14.32 28.87,13.95 28.87,13.45 v1(28.45,13.03)
I2C2_P: length 100.8
  Top w0.2: v1(20.14,13.31) 20.14,11.74 17.37,8.97 17.37,3.16 J14.7 ; v1(26.56,21.01) 24.29,18.74 v1(24.29,16.55) ; v1(24.58,30.38) 24.39,30.56 24.39,31.05 24.89,31.55 ; v1(33.5,39.86) 30.46,36.82 25.79,36.82 24.6,35.63 v1(24.6,35.1) 24.51,35.01 24.51,32.01 R24.1
  Bottom w0.2: 24.49,14.98 24.49,16.35 v1(24.29,16.55) ; v1(20.14,13.31) 20.34,13.51 24.02,13.51 24.49,13.99 U1.54 ; v1(26.56,21.01) 26.6,21.05 33.42,21.05 34.82,22.45 34.82,25.9 30.5,30.22 25.98,30.22 25.64,29.88 25.08,29.88 v1(24.58,30.38) ; v1(33.5,39.86) 34.62,40.98 34.62,44.52 36.43,46.33 43.55,46.33 44.73,45.15 44.73,40.76 44.42,40.45 U9.3 ; v1(24.6,35.1) 24.6,35.15 23.6,36.15 22.89,36.15 22.85,36.11 13.8,36.11 J6.4
LED_EN: length 78.3
  Top w0.2: J14.8 19.89,3.18 19.89,9.41 23.61,13.13 24.91,13.13 24.92,13.14 v1(25.06,13.14) ; J8.18 23.26,46.18 25.09,44.35 v1(25.09,44.08) ; v1(18.57,43.46) R32.2
  Bottom w0.2: v1(18.57,43.46) 19.59,44.48 24.96,44.48 25.09,44.35 v1(25.09,44.08) 25.37,44.08 34.04,35.41 34.04,32.04 37.9,28.18 37.9,19.84 36.72,18.66 26.39,18.66 25.69,17.96 U1.48 25.69,14.06 25.06,13.42 v1(25.06,13.14)
LRCLK: length 60.2
  Top w0.2: v1(30.42,16.92) 30.1,16.6 30.1,14.97 29.61,14.48 14.62,14.48 11.09,18.01 v1(11.09,18.13) ; J14.16 42.73,3.12 42.73,6.53 36.01,13.25 35.49,13.25 v1(35.44,13.3)
  Bottom w0.2: J18.7 3.45,26.63 5.33,24.76 J19.5 8.07,24.76 11.09,21.73 v1(11.09,18.13) ; v1(30.42,16.92) 30.09,16.59 U1.26 30.09,14.31 30.55,13.86 34.88,13.86 v1(35.44,13.3)
PCM_CLK: length 41.4
  Top w0.2: J9.5 13.56,8.21 14.61,9.26 v1(14.68,9.26)
  Bottom w0.2: 14.68,8.67 22.89,8.67 25.29,11.08 U1.49 ; 14.68,8.67 v1(14.68,9.26) ; 14.68,8.67 11.4,8.67 9.72,10.35 9.72,20.42 7.88,22.26 J19.3 6.58,22.26 3.45,25.38 J18.6
PCM_DIN: length 50.1
  Top w0.2: J9.13 33.88,8.94 32.78,10.04 v1(31.09,10.04)
  Bottom w0.2: 29.69,10.41 U1.27 ; 29.69,10.41 29.69,8.31 29.25,7.87 11.07,7.87 8.1,10.84 8.1,16.11 5.91,18.3 5.91,21.67 3.45,24.13 J18.5 ; 29.69,10.41 30.06,10.04 v1(31.09,10.04)
PCM_DOUT: length 46.3
  Top w0.2: J14.14 35.15,3.16 35.15,9.27 33.53,10.89 30.65,10.89 v1(30.41,10.64) 30.17,10.88 29.66,10.88 29.05,11.49 29.05,13.55 28.58,14.02 13.7,14.02 v1(10.44,17.29)
  Bottom w0.2: U1.25 30.09,10.95 v1(30.41,10.64) ; J19.4 7.88,23.51 10.44,20.95 v1(10.44,17.29)
POWER_EN: length 74.2
  Top w0.2: v1(25.66,44.65) 25.39,44.65 23.76,46.28 J8.17 ; v1(18.57,44.99) 19.58,44.99 R33.1 ; v1(26.24,13.19) 25.98,13.19 25.91,13.12 25.91,12.48 25.56,12.13 23.8,12.13 21.18,9.51 J9.8
  Bottom w0.2: 18.51,44.99 25.05,44.99 25.39,44.65 v1(25.66,44.65) 25.66,44.51 34.54,35.63 34.54,32.24 38.39,28.39 38.39,19.56 37.08,18.25 26.74,18.25 26.09,17.6 U1.46 26.09,13.87 26.24,13.73 v1(26.24,13.19)
SD: length 43.6
  Top w0.2: v1(8.84,12.94) 7.55,14.23 v1(7.5,14.23) ; v1(29.06,8.82) 30.12,8.82 31.34,7.6 J9.12
  Bottom w0.2: v1(8.84,12.94) 8.84,10.67 11.24,8.27 27.71,8.27 28.4,8.96 ; U1.29 29.29,9.85 28.4,8.96 ; 28.4,8.96 28.67,9.23 28.67,9.21 v1(29.06,8.82) ; v1(7.5,14.23) 7.5,15.82 5.15,18.17 5.15,20.38 3.9,21.63 J18.3
SERV1: length 9.8
  Bottom w0.2: J1.1 7.92,52.03 7.92,44.11 v1(7.91,44.1)
SERV2: length 14.9
  Bottom w0.2: J2.1 6.59,56.13 9.39,53.33 9.39,44.1 v1(9.38,44.09)
SERV3: length 10.7
  Bottom w0.2: v1(10.94,44.09) 10.94,50.67 11.45,51.18 12.27,51.18 13.18,52.09 J3.1
SERV4: length 14.9
  Bottom w0.2: J4.1 14.24,56.74 14.24,47.43 12.49,45.68 v1(12.49,44.09)
SSMP2338: length 5.4
  Top w0.2: C15.1 44.58,34.89 45.58,34.89 U6.7
STDBY: length 2.3
  Top w0.2: 45.55,20.64 U5.6 45.44,22.62 R16.2
Net-(C19-Pad1): length 4.5
  Top w0.2: R9.1 C19.1 ; 42.94,33.77 42.89,33.82 42.89,35.26 42.94,35.31 ; R20.2 42.94,33.55
Net-(D1-A): length 12.3
  Top w0.2: 2.38,40.12 2.34,40.08 1.69,40.08 ; 1.69,40.08 1.96,40.08 2.01,40.03 2.01,39.1 1.42,38.51 1.42,31.48 2.18,30.72 J10.1 ; 1.69,40.08 R4.2
Net-(D2-A): length 8.5
  Top w0.2: 5.2,40.12 5.14,40.06 5.14,39.44 4.79,39.09 3.52,39.09 2.06,37.63 2.06,36.43 2.34,36.15 J11.1 ; 5.2,40.12 5.87,40.12 R5.2 ; 5.2,40.12 D2.2
Net-(D3-A): length 4.2
  Top w0.2: J16.1 39.72,27.78 R13.2 D3.2
Net-(D4-K): length 1.6
  Top w0.2: R15.1 42.48,24.17 D4.1
Net-(D5-K): length 1.6
  Top w0.2: D5.1 47.13,24.17 R16.1
Net-(D6-A): length 20.2
  Bottom w0.2: 44.46,21.67 44.25,21.88
  Bottom w1: R34.1 49.7,19.77 46.08,19.77 D6.2 43.95,21.39 42.88,22.46 42.88,25.35 44.26,26.73 47.06,26.73 48.04,27.7 Q2.4
Net-(D6-K): length 30.2
  Bottom w0.2: 44.8,35.54 44.8,35.02 R35.1
  Bottom w0.5: D6.1 50.14,23.77 52.74,23.77 53.87,24.9 53.87,29.53 JP2.2
  Bottom w1: R35.1 45.49,33.33 45.49,29.17 47.6,31.27 50.68,31.27 50.94,31.53 53.22,31.53 53.32,31.43 JP2.2
Net-(J12-Pin_1): length 9.7
  Bottom w1: JP2.1 51.99,30.05 J12.1 50.97,27.82 47.12,23.97 Q2.5-8
Net-(U1A-CM4_1.8V(OUTPUT)-Pad88): length 0.4
  Bottom w0.2: U1.88 U1.90
Net-(U2-CPOUT): length 2.3
  Top w0.2: 19.73,25.66 19.73,24.96 20.08,24.61 U2.20
Net-(U2-REGOUT): length 1.8
  Top w0.2: 26.61,24.48 26.51,24.58 26.11,24.58 25.63,24.11 U2.10
Net-(U3-+): length 3.2
  Top w0.2: 44.84,30.02 R10.1 ; 44.84,30.02 R11.2 ; 44.84,30.02 U3.3
Net-(U5-PROG): length 2
  Top w0.2: 44.19,13.64 44.19,15.57 U5.2
Net-(U6-BST): length 3.8
  Top w0.2: C16.1 45.48,35.49 46.65,35.49 47.05,35.89 U6.5
Net-(U7-LED0): length 11.7
  Top w0.2: 21.91,39.21 21.91,40.83 20.3,42.44 12.5,42.44 R21.1
Net-(U7-LED1): length 12.8
  Top w0.2: R22.1 10.94,41.96 11.16,41.74 20.17,41.74 21.26,40.66 U7.7
Net-(U7-LED2): length 13.7
  Top w0.2: U7.8 20.61,40.5 19.86,41.25 9.9,41.25 9.38,41.77 R23.1
Net-(U7-LED3): length 14.6
  Top w0.2: R31.1 7.91,41.56 8.67,40.8 19.56,40.8 19.95,40.4 U7.9
Net-(U8-EN): length 13.9
  Top w0.2: U8.16 45.84,50.88 45.48,50.52 v1(44.79,50.52) ; R26.1 45.69,58.48 ; 45.69,58.48 45.69,57.61 v1(45.69,57.61) 45.69,57.71 45.7,57.72 ; 45.69,58.48 R27.2 ; 46.61,58.8 46.66,58.75
  Bottom w0.2: v1(45.69,57.61) 45.68,57.62 44.34,57.62 44.2,57.48 44.2,56.34 43.45,55.59 43.45,51.86 v1(44.79,50.52)
